# KiCad board kibot_a7dshx9q.kicad_pcb (continued)
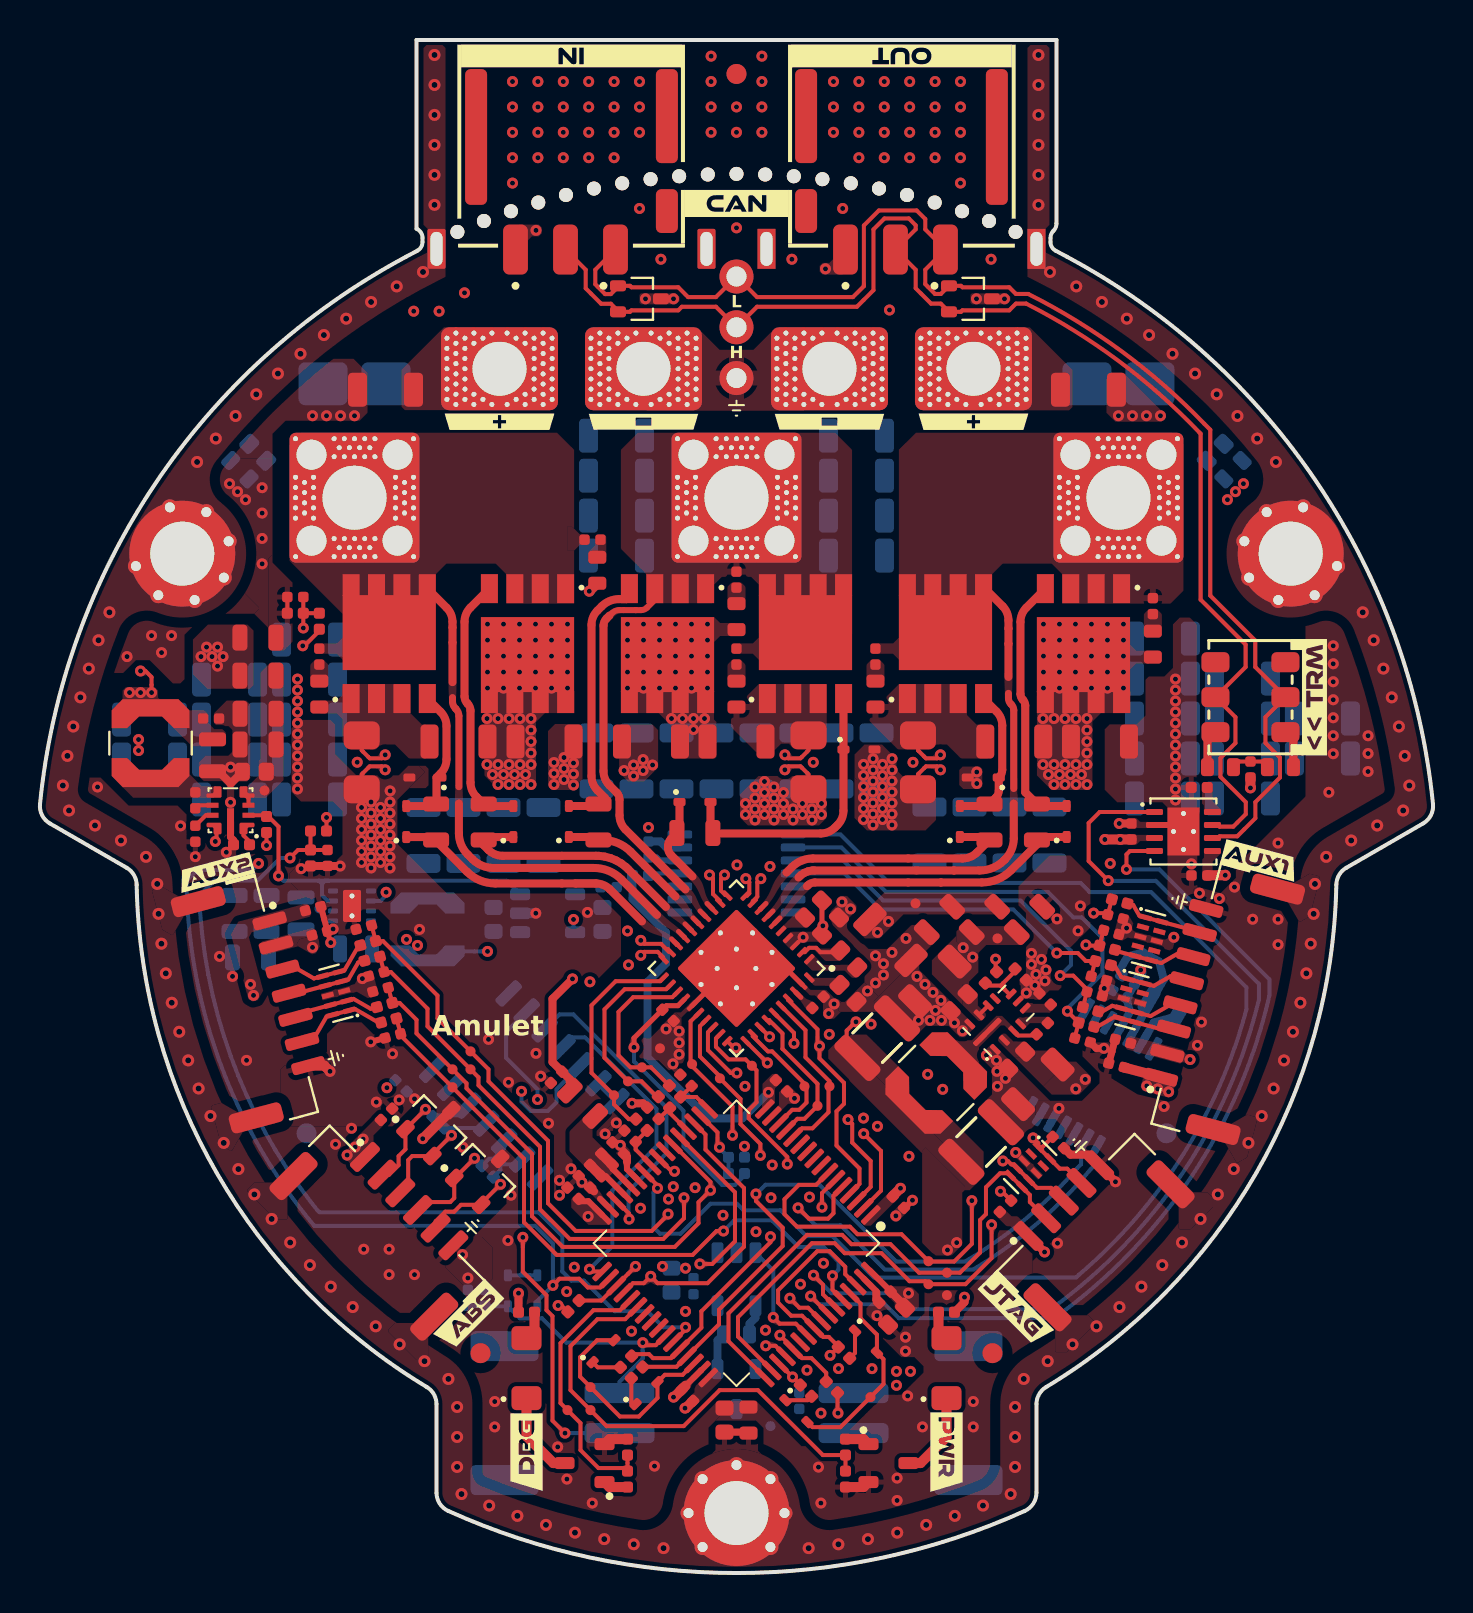
[diagram p0: board, top side]
## Copper pours and planes (outline as drawn; the poured copper is in the pictures) (continued)
GND on L6 (Sig, PWR): 18.29,24.41 18.46,24.41 19.02,23.85 19.02,23.61 18.79,23.38 17.87,23.38 17.68,23.57 17.68,23.81 17.69,23.81
GND on L6 (Sig, PWR), L2 (GND), L3 (Sig, PWR), L5 (GND): 38.41,33.17 39.55,33.17 40.14,32.58 40.14,31.8 39.28,30.93 37.72,30.93 37.17,31.48 37.17,31.94
GND on L6 (Sig, PWR), L2 (GND), L3 (Sig, PWR), L5 (GND): 41.67,33.54 42.92,33.54 43.64,32.82 43.64,32.04 42.78,31.17 41.22,31.17 40.67,31.72 40.67,32.55
GND on L6 (Sig, PWR), L3 (Sig, PWR), L4 (Sig, PWR): 23.88,66.1 18.28,66.1 17.68,66.7 17.68,76.65 18.53,77.5 50.88,77.5 51.58,76.8 51.58,66.55 51.03,66 45.58,66 42.38,62.8 42.38,61.65 28.33,61.65
GND on L6 (Sig, PWR), L3 (Sig, PWR), L4 (Sig, PWR): 27.28,58.2 42.08,58.2 42.08,62.85 27.28,62.85
GND on L2 (GND), L3 (Sig, PWR), L4 (Sig, PWR), L5 (GND): 13.65,38.63 14.75,38.63 15.23,38.15 15.23,37.15 14.8,36.73 13.8,36.73 13.38,37.15 13.38,38.35
GND on L2 (GND), L4 (Sig, PWR), L5 (GND): 7.78,47.24 9.35,47.24 10.01,46.58 10.01,45.26 9.25,44.49 7.97,44.49 7.04,45.42 7.04,46.51
GND on L2 (GND), L5 (GND): 26.8,49.96 27.9,49.96 28.38,49.48 28.38,48.48 27.95,48.06 26.95,48.06 26.53,48.48 26.53,49.68
GND on L2 (GND), L5 (GND): 15.93,79.7 51.93,79.7 73.43,58.2 73.43,19.2 51.43,-2.8 17.93,-2.8 -3.07,18.2 -3.07,60.7
GND on L3 (Sig, PWR): 24.19,28.43 24.19,31.23 23.5,31.92 20.57,31.92 20.57,30.6 22.74,28.43
GND on L3 (Sig, PWR): 18.58,49.85 19.03,49.4 19.03,43.65 18.63,43.25 17.83,43.25 14.62,46.46 12.57,46.46 10.28,48.75 10.28,49.05 11.08,49.85
GND on L3 (Sig, PWR): 36.54,39.95 36.9,39.59 37.69,39.59 37.89,39.79 37.89,40.86 37.99,40.96 44.1,40.96 44.29,40.77 44.29,37.59 43.86,37.15 34.93,37.15 34.33,37.75 34.33,38.9 35.38,39.95
GND on L3 (Sig, PWR): outline of 87 points within 11.91,8.31 71.53,49.86
GND on L3 (Sig, PWR): 46.58,39.34 45.52,38.28 45.52,36.7 45.62,36.6 48.02,36.6 48.17,36.75 48.17,37.32 47.11,38.38 47.11,40.25 46.97,40.39 46.72,40.39 46.58,40.25
GND on L3 (Sig, PWR), L4 (Sig, PWR): 12.88,49.85 12.43,49.85 11.83,50.45 11.83,57.4 12.58,58.15 18.68,58.15 19.13,58.6 19.13,62.3 20.08,63.25 26.83,63.25 27.28,62.8 27.93,62.8 28.98,63.85 26.03,66.8 14.33,66.8 3.18,55.65 3.18,48.75 5.43,46.5 9.53,46.5
GND on L3 (Sig, PWR), L4 (Sig, PWR): 56.78,49.85 57.23,49.85 57.83,50.45 57.83,57.4 57.08,58.15 50.98,58.15 50.53,58.6 50.53,62.3 49.58,63.25 42.83,63.25 42.38,62.8 41.73,62.8 40.68,63.85 43.63,66.8 55.33,66.8 66.48,55.65 66.48,48.75 64.23,46.5 60.13,46.5
GND on L4 (Sig, PWR): 54.97,36.71 56.17,35.51 57.82,35.51 59.03,36.72 59.03,36.81 58.79,37.05 55.31,37.05
GND on L4 (Sig, PWR): 2.38,49.85 18.18,49.85 19.29,48.78 19.29,38.91 20.01,38.19 24.98,38.19 25.43,38.64 25.43,40.66 25.73,40.96 46.2,40.96 47.12,40.04 47.12,38.67 43.27,34.83 41.95,34.83 40.53,33.4 37.8,33.4 37.23,32.83 37.23,31.5 37.88,30.85 42,30.85 43.4,32.25 44.5,32.25 48.63,36.38 48.63,36.38 50.06,37.82 52.16,37.82 53.27,38.92 53.27,42.86 53.5,43.09 54.49,43.09 55.16,43.76 55.16,49.17 55.84,49.85 68.03,49.85 71.18,46.7 71.18,38.85 69.01,36.68 50.94,36.68 46.85,32.59 46.85,29.79 41.43,24.37 41.43,22.65 41.33,22.55 40.98,22.55 40.88,22.65 40.88,23 38.78,25.1 38.78,25.5 39.53,26.25 39.58,26.25 39.58,26.7 38.88,27.4 35.03,27.4 33.33,25.7 33.33,22.45 29.68,18.8 28.68,18.8 28.18,19.3 26.78,19.3 25.58,18.1 25.58,17.1 24.69,16.21 23.44,16.21 22.88,16.77 22.88,19.7 25.1,21.93 25.1,23.95 25.08,23.95 22.43,21.3 22.1,21.3 22.01,21.39 22.01,30.45 20.15,32.31 2.41,32.32 -0.97,35.7 -0.97,46.75
/Project Architecture/Interface - Fan Control/FAN_SW on L6 (Sig, PWR): 34.83,8.7 36.53,8.7 37.73,7.5 39.4,7.5 39.53,7.38 39.53,6.5 35.85,6.5 34.53,7.83 34.53,8.4
/Project Architecture/MCU - Power/F_A3V3 on L1 (Sig, PWR): 27.73,22.3 27.63,22.2 27.63,21.8 28.88,20.55 28.88,20.25 28.18,19.55 28.03,19.55 26.48,21.1 26.48,22.1 27.28,22.9 27.73,22.45
/Project Architecture/Motor Control - Top Level/CPH on L1 (Sig, PWR): 38.13,30.93 38.38,31.18 38.72,31.18 39.27,30.63 40.01,30.63 40.1,30.72 40.1,30.8 39.66,31.24 38.99,31.24 38.81,31.43 38.33,31.43 37.98,31.08
/Project Architecture/Motor Control - Top Level/CPL on L1 (Sig, PWR): 38.25,30.5 38.62,30.14 40.24,30.14 40.6,29.78 40.8,29.78 40.95,29.93 40.44,30.44 39.17,30.44 38.68,30.93
/Project Architecture/Motor Control - Top Level/GHA on L1 (Sig, PWR): 38.21,34.5 37.98,34.27 37.8,34.06 37.66,33.88 37.55,33.72 37.34,33.41 37.22,33.24 37.08,33.06 36.9,32.86 36.67,32.62 36.66,32.61 36.71,32.49 36.83,32.43 37.08,32.68 37.27,32.87 37.42,33.04 37.55,33.19 37.79,33.47 37.92,33.62 38.08,33.79 38.26,33.99 38.5,34.22 38.64,34.36 38.52,34.53 38.38,34.65
/Project Architecture/Motor Control - Top Level/GHB on L1 (Sig, PWR): 32.99,32.62 32.82,32.79 32.7,32.94 32.6,33.07 32.52,33.19 32.38,33.42 32.3,33.54 32.21,33.67 32.08,33.82 31.92,33.99 31.9,34.01 31.71,33.92 31.61,33.73 31.8,33.54 31.93,33.4 32.04,33.28 32.14,33.17 32.31,32.98 32.4,32.87 32.51,32.75 32.65,32.61 32.81,32.44 32.9,32.35 33,32.43 33.08,32.53
/Project Architecture/Motor Control - Top Level/GHC on L1 (Sig, PWR): 31.16,33.18 31.32,33.03 31.45,32.91 31.57,32.81 31.68,32.73 31.89,32.59 31.99,32.51 32.11,32.42 32.25,32.3 32.42,32.13 32.54,32.19 32.6,32.31 31.3,33.61 31.14,33.49 31.02,33.33
/Project Architecture/Motor Control - Top Level/GLA on L1 (Sig, PWR): 37.19,35.19 36.98,34.97 36.84,34.77 36.73,34.59 36.65,34.43 36.51,34.11 36.43,33.94 36.32,33.76 36.17,33.56 35.97,33.34 35.96,33.33 36.01,33.21 36.13,33.15 36.15,33.17 36.35,33.38 36.51,33.57 36.63,33.74 36.72,33.89 36.89,34.18 36.99,34.34 37.11,34.5 37.27,34.69 37.47,34.91 37.61,35.05 37.49,35.21 37.33,35.33
/Project Architecture/Motor Control - Top Level/GLB on L1 (Sig, PWR): 32.49,34.71 32.66,34.52 32.78,34.36 32.87,34.21 32.94,34.07 33.05,33.8 33.12,33.67 33.21,33.52 33.34,33.35 33.51,33.17 33.52,33.15 33.64,33.21 33.7,33.33 33.69,33.34 33.52,33.53 33.4,33.71 33.32,33.87 33.27,34.02 33.19,34.32 33.13,34.47 33.06,34.63 32.94,34.8 32.77,34.99 32.63,35.13 32.47,35.01 32.34,34.85
/Project Architecture/Motor Control - Top Level/GLC on L1 (Sig, PWR): 29.96,32.46 30.17,32.27 30.36,32.14 30.53,32.04 30.69,31.98 31,31.87 31.17,31.81 31.34,31.71 31.53,31.58 31.73,31.39 31.75,31.38 31.87,31.44 31.92,31.56 31.91,31.57 31.71,31.76 31.53,31.9 31.37,32 31.22,32.09 30.93,32.23 30.79,32.31 30.62,32.41 30.45,32.55 30.24,32.74 30.1,32.88 29.94,32.76 29.82,32.6
/Project Architecture/Motor Control - Top Level/Motor Control - Inverter/FET_GHC on L6 (Sig, PWR): 21.8,38 21.8,38.75 19.7,38.75 19.6,38.65 19.6,38.1 19.7,38
/Project Architecture/Motor Control - Top Level/Motor Control - Inverter/PHA on L1 (Sig, PWR): 42.95,48.7 42.95,56.2 43.8,57.05 56.58,57.05 57.18,56.45 57.18,49.15 56.53,48.5 51.12,48.5 51.12,49.97 50.59,50.5 48.14,50.5 47.61,49.97 47.61,48.7
/Project Architecture/Motor Control - Top Level/Motor Control - Inverter/PHA on L1 (Sig, PWR): 41.84,46.51 42.66,46.51 42.96,46.81 43.3,46.81 43.3,45.61 43.04,45.61 42.66,45.99 41.84,45.99
/Project Architecture/Motor Control - Top Level/Motor Control - Inverter/PHB on L1 (Sig, PWR): 30.32,49.97 29.05,51.24 29.05,56.2 29.9,57.05 39.76,57.05 40.61,56.2 40.61,46.9 35.95,46.9 35.95,49.45 35.56,49.84 34.1,49.84 33.71,49.45 33.71,48.52 30.32,48.52
/Project Architecture/Motor Control - Top Level/Motor Control - Inverter/PHB on L1 (Sig, PWR): 34.83,46.51 35.65,46.51 35.95,46.81 36.29,46.81 36.29,45.61 36.03,45.61 35.65,45.99 34.83,45.99
/Project Architecture/Motor Control - Top Level/Motor Control - Inverter/PHC on L1 (Sig, PWR): 14.02,46.51 14.84,46.51 15.14,46.81 15.48,46.81 15.48,45.61 15.22,45.61 14.84,45.99 14.02,45.99
/Project Architecture/Motor Control - Top Level/Motor Control - Inverter/PHC on L1 (Sig, PWR): 27.29,51.44 27,51.44 26.7,51.14 26.36,51.14 26.36,52.34 26.62,52.34 27,51.96 27.29,51.96
/Project Architecture/Motor Control - Top Level/Motor Control - Inverter/PHC on L1 (Sig, PWR): 26.71,48.5 26.71,56.2 25.86,57.05 13.08,57.05 12.48,56.45 12.48,50.64 15.12,48 19.8,48 19.8,49.98 20.32,50.5 22.79,50.5 23.32,49.97 23.32,48.5
/Project Architecture/Motor Control - Top Level/Motor Control - Inverter/SNUBH_B on L1 (Sig, PWR): 35.07,49.56 35.28,49.35 35.28,48.36 34.38,48.36 34.38,49.35 34.59,49.56
/Project Architecture/Motor Control - Top Level/Motor Control - Inverter/SNUBH_C on L1 (Sig, PWR): 27.77,51.42 27.42,51.07 27.42,50.72 28.31,50.72 28.32,50.73 28.32,51.86 28.22,51.96 27.94,51.96 27.77,51.79
/Project Architecture/Motor Control - Top Level/Motor Control - Inverter/SRC_LS_A on L1 (Sig, PWR): 42.13,43.65 42.95,44.48 46.23,44.48 46.35,44.35 46.35,42.93 46.83,42.45 47.45,42.45 47.45,40.75 46.05,40.75 45.35,41.45 44.83,41.45 44.58,41.21 42.9,41.21 41.33,42.78 41.33,43.48 41.5,43.65
/Project Architecture/Motor Control - Top Level/Motor Control - Inverter/SRC_LS_B on L1 (Sig, PWR): 39.34,44.48 35.94,44.48 35.12,43.65 34.55,43.65 34.55,42.33 35.83,41.05 36.62,41.05 37.06,41.49 37.45,41.49 37.69,41.25 39.03,41.25 39.34,41.57
/Project Architecture/Motor Control - Top Level/Motor Control - Inverter/SRC_LS_C on L1 (Sig, PWR): 13.97,43 14.84,43 15.18,42.66 15.45,42.66 15.62,42.83 15.62,43.75 15.41,43.96 15.15,43.96 14.84,43.65 13.97,43.65
/Project Architecture/Motor Control - Top Level/Motor Control - Inverter/SRC_LS_C on L1 (Sig, PWR): 19.38,42.45 19.09,42.45 18.53,43.02 18.53,44.48 15.13,44.48 15.13,41.6 15.53,41.2 17.08,41.2 17.33,41.45 17.75,41.45 18.45,40.75 19.38,40.75
/Project Architecture/Motor Control - Top Level/SHA on L1 (Sig, PWR): 37.79,34.94 37.56,34.7 37.38,34.49 37.25,34.3 37.15,34.12 36.96,33.79 36.86,33.61 36.72,33.42 36.55,33.21 36.32,32.97 36.31,32.96 36.36,32.84 36.48,32.78 36.5,32.79 36.73,33.03 36.91,33.24 37.05,33.41 37.18,33.57 37.39,33.88 37.51,34.04 37.66,34.22 37.84,34.42 38.07,34.66 38.21,34.8 38.09,34.96 37.94,35.07
/Project Architecture/Motor Control - Top Level/SHB on L1 (Sig, PWR): 32.13,34.06 32.29,33.9 32.41,33.76 32.5,33.64 32.58,33.53 32.71,33.32 32.79,33.21 32.89,33.09 33.01,32.95 33.17,32.78 33.29,32.84 33.35,32.96 33.34,32.97 33.18,33.13 33.07,33.28 32.99,33.41 32.93,33.54 32.82,33.77 32.76,33.9 32.68,34.03 32.57,34.18 32.42,34.34 32.27,34.48 32.11,34.36 31.99,34.2
/Project Architecture/Motor Control - Top Level/SHC on L1 (Sig, PWR): 32.26,31.94 32.1,32.1 31.96,32.23 31.84,32.34 31.73,32.42 31.53,32.58 31.42,32.67 31.3,32.78 31.16,32.91 30.97,33.09 30.78,33 30.69,32.8 30.71,32.78 30.88,32.62 31.03,32.5 31.16,32.41 31.28,32.34 31.51,32.21 31.64,32.14 31.77,32.05 31.92,31.93 32.08,31.77 32.17,31.68 32.27,31.75 32.35,31.85
/Project Architecture/Motor Control - Top Level/VCP on L1 (Sig, PWR): 37.01,32.23 38.09,33.31 38.27,33.31 38.7,32.88 38.7,32.61 38.37,32.28 37.37,32.28 37.17,32.08 37.16,32.08
/Project Architecture/Motor Control - Top Level/VGLS on L1 (Sig, PWR): 38.5,29.9 38.63,29.78 40.2,29.78 40.33,29.65 40.33,29.3 39.98,28.95 39.55,29.38 38.73,29.38 38.35,29.75
/Project Architecture/Power - Generation/ADJ_A3V3 on L6 (Sig, PWR): 26.99,34.26 27.31,34.59 28.14,34.59 28.14,34.04 27.51,34.04 27.14,33.66 26.99,33.66
/Project Architecture/Power - Generation/F_VIN_3V3 on L6 (Sig, PWR): 14.58,33 12.93,33 12.63,33.3 12.63,33.78 13,34.15 13.63,34.15 13.75,34.03 13.75,33.85 14.35,33.25 14.58,33.25
/Project Architecture/Power - Generation/F_VIN_3V3 on L6 (Sig, PWR): 9.4,33.23 9.08,33.55 9.08,34.15 9.23,34.3 12.18,34.3 12.33,34.15 13.63,34.15 12.7,33.23
/Project Architecture/Power - Generation/F_VIN_5V on L1 (Sig, PWR): 11.91,45.55 12.18,45.28 12.18,39.67 11.3,38.79 10.24,38.79 10.08,38.95 10.08,39.23 10.21,39.36 10.4,39.36 10.94,39.9 10.94,40.62 11.03,40.71 11.03,45.06 11.51,45.55
/Project Architecture/Power - Generation/F_VIN_12V on L1 (Sig, PWR): 46.93,27.62 47.07,27.62 47.3,27.85 47.3,27.99 46.45,28.84 46.45,29.58 46.92,30.05 46.92,31.04 46.05,31.91 45.85,31.91 44.6,30.66 44.6,29.95
/Project Architecture/Power - Generation/F_VIN_12V on L1 (Sig, PWR): 47.3,27.99 46.9,28.39 46.9,28.98 46.41,29.47 46.18,29.47 46.12,29.41 46.12,28.43 46.93,27.62 47.07,27.62 47.3,27.85
/Project Architecture/Power - Generation/F_VIN_12V on L1 (Sig, PWR): 48.28,26.99 48.67,26.6 49.28,26.6 49.76,26.12 49.76,25.87 49.7,25.81 48.72,25.81 47.91,26.62 47.91,26.77 48.13,26.99
/Project Architecture/Power - Generation/F_VIN_12V on L1 (Sig, PWR): 51.81,25.58 52.55,24.84 52.55,24.52 51.96,23.93 50.59,23.93 50.17,24.36 51.4,25.58
/Project Architecture/Power - Generation/F_VIN_12V on L1 (Sig, PWR): 47.91,26.76 47.91,26.62 50.17,24.36 51.02,24.36 51.62,24.96 50.41,26.16 50.39,26.14 49.13,26.14 48.28,26.99 48.14,26.99
/Project Architecture/Power - Generation/F_VIN_12V on L1 (Sig, PWR): 48.52,32.65 48.23,32.36 46.08,32.36 45.82,32.1 45.82,31.58 46.37,31.03 46.93,31.03 47.32,31.42 49.04,31.42 49.04,32.13
/Project Architecture/Power - Generation/F_VIN_12V on L6 (Sig, PWR): 45.98,31.65 46.2,31.65 52.63,25.22 52.63,24.7 51.97,24.04 51.04,24.04 44.88,30.2 44.88,30.55
/Project Architecture/Power - Generation/SW_3V3 on L6 (Sig, PWR): 16.3,33 18.08,33 18.28,33.2 18.28,33.93 18.15,34.05 18.05,34.05 17.25,33.25 16.3,33.25
/Project Architecture/Power - Generation/SW_5V on L1 (Sig, PWR): 8.66,38.79 4.66,38.79 4.06,39.39 4.06,39.43 4.73,40.1 7.35,40.1 8.09,39.36 8.78,39.36 8.78,38.91
/Project Architecture/Power - Generation/SW_12V on L1 (Sig, PWR): 48.79,26.83 48.23,27.4 48.05,27.4 46.95,26.3 46.95,25.5 47.36,25.09 47.36,25.08 47.22,24.94 45.24,26.92 45.38,27.06 45.38,27.06 45.79,26.65 46.6,26.65 47.82,27.87 48.1,27.87 48.97,27.01
CHASSIS on L1 (Sig, PWR): 12.61,20.49 11.66,19.54 10.72,19.54 10.38,19.2 10.38,19.1 11.78,17.69 12.32,17.69 12.37,17.74 12.37,18.84 13.31,19.79 13.31,19.79
CHASSIS on L1 (Sig, PWR): 58.25,22.81 59.54,22.46 60.36,22.93 60.82,22.81 60.87,22.72 60.36,20.8 59.89,20.53 59.82,20.55 59.27,21.5 57.99,21.85 57.99,21.85
CHASSIS on L1 (Sig, PWR): 8.23,34.2 6.94,33.85 6.12,34.32 5.66,34.2 5.61,34.11 6.12,32.19 6.59,31.92 6.66,31.94 7.21,32.89 8.49,33.24 8.49,33.24
CHASSIS on L1 (Sig, PWR): 50.53,13.85 51.48,12.9 52.42,12.9 52.76,12.56 52.76,12.46 51.35,11.05 50.81,11.05 50.76,11.1 50.76,12.2 49.83,13.15 49.83,13.15
CHASSIS on L1 (Sig, PWR): 19.65,13.46 18.7,12.51 17.76,12.51 17.42,12.17 17.42,12.07 18.82,10.66 19.36,10.66 19.41,10.71 19.41,11.81 20.35,12.76 20.35,12.76
CHASSIS on L1 (Sig, PWR): 61.37,34.87 62.67,34.52 63.49,34.99 63.95,34.86 64,34.77 63.49,32.85 63.02,32.58 62.95,32.6 62.4,33.56 61.12,33.91 61.12,33.91
CHASSIS on L1 (Sig, PWR): 56.7,20 57.65,19.05 58.38,19.05 58.65,18.78 58.65,18.33 57.53,17.2 56.99,17.2 56.94,17.25 56.94,18.33 56,19.28 56,19.3
CHASSIS on L1 (Sig, PWR): 11.18,23.4 9.89,23.05 9.07,23.52 8.61,23.4 8.56,23.31 9.07,21.39 9.54,21.12 9.61,21.14 10.16,22.09 11.44,22.44 11.44,22.44
CHASSIS on L1 (Sig, PWR): 35.8,7.45 33.88,7.45 33.78,7.35 33.78,6.15 33.48,5.85 36.18,5.85 35.9,6.13 35.9,7.35
CHASSIS on L1 (Sig, PWR): 46.53,63.95 46.63,64.05 48.43,64.05 48.53,63.95 48.53,63.55 48.43,63.45 46.63,63.45 46.53,63.55
CHASSIS on L1 (Sig, PWR): 29.98,63.95 30.08,64.05 31.88,64.05 31.98,63.95 31.98,63.55 31.88,63.45 30.08,63.45 29.98,63.55
CHASSIS on L1 (Sig, PWR), L6 (Sig, PWR), L2 (GND), L3 (Sig, PWR), L4 (Sig, PWR), L5 (GND): outline of 716 points within 0.29,0.3 69.35,55.05
CHASSIS on L1 (Sig, PWR), L6 (Sig, PWR), L2 (GND), L3 (Sig, PWR), L4 (Sig, PWR), L5 (GND): 10.83,57.96 10.13,57.21 9.46,56.44 8.81,55.65 8.77,55.59 8.73,55.53 8.69,55.46 8.65,55.4 8.62,55.33 8.59,55.26 8.57,55.19 8.55,55.12 8.53,55.05 8.51,54.98 8.5,54.91 8.49,54.83 8.49,54.76 8.49,54.68 8.49,54.61 8.5,54.54 8.51,54.46 8.52,54.39 8.54,54.32 8.56,54.25 8.59,54.18 8.62,54.11 8.65,54.04 8.68,53.98 8.72,53.91 8.76,53.85 8.81,53.79 8.85,53.73 8.9,53.68 8.95,53.63 9.01,53.58 9.07,53.53 8.94,53.36 6.4,54.9 6.68,55.31 7.35,56.21 8.05,57.08 8.77,57.93 9.52,58.76 10.3,59.56 11.11,60.34 11.94,61.09 12.79,61.82 13.45,62.34 13.98,62.74 14.91,63.42 15.86,64.06 16.83,64.67 17.83,65.25 18.84,65.8 19.38,66.07 19.38,67.25 20.28,67.25 20.28,64.85 20,64.71 19,64.19 18.01,63.63 17.04,63.04 16.1,62.42 15.18,61.76 14.27,61.08 13.4,60.36 12.55,59.62 11.72,58.84 11.29,58.43
CHASSIS on L1 (Sig, PWR), L6 (Sig, PWR), L2 (GND), L3 (Sig, PWR), L4 (Sig, PWR), L5 (GND): 58.83,57.96 59.52,57.21 60.19,56.44 60.84,55.65 60.89,55.59 60.93,55.53 60.97,55.46 61,55.4 61.03,55.33 61.06,55.26 61.09,55.19 61.11,55.12 61.13,55.05 61.14,54.98 61.15,54.91 61.16,54.83 61.17,54.76 61.17,54.68 61.16,54.61 61.16,54.54 61.15,54.46 61.13,54.39 61.11,54.32 61.09,54.25 61.07,54.18 61.04,54.11 61.01,54.04 60.97,53.98 60.93,53.91 60.89,53.85 60.85,53.79 60.8,53.73 60.75,53.68 60.7,53.63 60.65,53.58 60.59,53.53 60.71,53.36 63.25,54.9 62.98,55.31 62.31,56.21 61.61,57.08 60.88,57.93 60.13,58.76 59.35,59.56 58.55,60.34 57.72,61.09 56.86,61.82 56.2,62.34 55.67,62.74 54.74,63.42 53.79,64.06 52.82,64.67 51.83,65.25 50.82,65.8 50.28,66.07 50.28,67.25 49.38,67.25 49.38,64.85 49.66,64.71 50.66,64.19 51.64,63.63 52.61,63.04 53.56,62.42 54.48,61.76 55.38,61.08 56.26,60.36 57.11,59.62 57.94,58.84 58.36,58.43
CHASSIS on L1 (Sig, PWR), L6 (Sig, PWR), L2 (GND), L3 (Sig, PWR), L4 (Sig, PWR), L5 (GND): 19.18,67.45 20.28,66.35 20.28,76.3 20.13,76.45 19.33,76.45 19.18,76.3
CHASSIS on L1 (Sig, PWR), L6 (Sig, PWR), L2 (GND), L3 (Sig, PWR), L4 (Sig, PWR), L5 (GND): 50.48,67.45 49.38,66.35 49.38,76.3 49.53,76.45 50.33,76.45 50.48,76.3
CHASSIS on L6 (Sig, PWR): 15.38,61.69 15.38,61.9 16.1,62.42 17.04,63.04 18.01,63.63 19,64.19 20,64.71 20.28,64.85 20.28,67.25 19.38,67.25 19.38,66.07 18.84,65.8 17.83,65.25 16.83,64.67 15.86,64.06 14.91,63.42 13.98,62.74 13.45,62.33 13.43,61.7
CHASSIS on L6 (Sig, PWR): 54.28,61.69 54.28,61.9 53.56,62.42 52.61,63.04 51.64,63.63 50.66,64.19 49.66,64.71 49.38,64.85 49.38,67.25 50.28,67.25 50.28,66.07 50.82,65.8 51.83,65.25 52.82,64.67 53.79,64.06 54.74,63.42 55.67,62.74 56.2,62.33 56.23,61.7
CHASSIS on L6 (Sig, PWR): 22.55,10.6 21.73,10.6 21.63,10.5 21.63,8.45 20.3,9.78 20.3,10.8 20.75,10.8 20.75,10.8 21,11.05 21,11.83 21.28,12.1 22.55,12.1
CHASSIS on L6 (Sig, PWR): 24.93,3.45 25.13,3.25 25.13,3 21.98,3 21.23,3.75 21.23,5.7 21.33,5.8 21.5,5.8 21.9,5.4 24.65,5.4 24.93,5.13
CHASSIS on L6 (Sig, PWR): 47.1,10.6 47.93,10.6 48.03,10.5 48.03,8.45 49.35,9.78 49.35,10.8 48.9,10.8 48.9,10.8 48.65,11.05 48.65,11.82 48.38,12.1 47.1,12.1
CHASSIS on L6 (Sig, PWR): 60.01,55.17 58.8,56.38 58.8,56.72 59.24,57.16 59.24,57.62 59.45,57.83 59.48,57.83 61.23,56.08 61.23,55.69 61.09,55.55 60.64,55.55 60.26,55.17
CHASSIS on L6 (Sig, PWR): 9.68,55.18 10.87,56.37 10.87,56.71 10.43,57.15 10.43,57.61 10.22,57.82 10.19,57.82 8.44,56.07 8.44,55.68 8.58,55.54 9.02,55.54 9.38,55.18
CHASSIS on L6 (Sig, PWR): 46.55,63.4 48.88,63.4 50.28,64.8 50.28,66.03 49.48,66.03 48.23,64.78 47.08,64.78 46.33,64.03 46.33,63.63
CHASSIS on L6 (Sig, PWR): 58.83,57.96 59.52,57.21 60.19,56.44 60.84,55.65 60.89,55.59 60.93,55.53 60.97,55.46 61,55.4 61.03,55.33 61.06,55.26 61.09,55.19 61.11,55.12 61.13,55.05 61.14,54.98 61.15,54.91 61.16,54.83 61.17,54.76 61.17,54.68 61.16,54.61 61.16,54.54 61.15,54.46 61.13,54.39 61.11,54.32 61.09,54.25 61.07,54.18 61.04,54.11 61.01,54.04 60.97,53.98 60.93,53.91 60.89,53.85 60.85,53.79 60.8,53.73 60.75,53.68 60.7,53.63 60.65,53.58 60.59,53.53 60.71,53.36 63.25,54.9 62.98,55.31 62.31,56.21 61.61,57.08 60.88,57.93 60.13,58.76 59.35,59.56 58.55,60.34 57.72,61.09 56.86,61.82 56.2,62.34 54.92,62.34 54.28,61.7 54.28,58.99 54.84,58.43 58.36,58.43
CHASSIS on L6 (Sig, PWR): 20.28,64.85 27.95,64.85 29.4,63.4 32,63.4 32.23,63.63 32.23,63.98 31.43,64.78 30.13,64.78 28.58,66.33 20.78,66.33 20.1,67 20.1,65.03
CHASSIS on L6 (Sig, PWR): 10.83,57.96 10.13,57.21 9.46,56.44 8.81,55.65 8.77,55.59 8.73,55.53 8.69,55.46 8.65,55.4 8.62,55.33 8.59,55.26 8.57,55.19 8.55,55.12 8.53,55.05 8.51,54.98 8.5,54.91 8.49,54.83 8.49,54.76 8.49,54.68 8.49,54.61 8.5,54.54 8.51,54.46 8.52,54.39 8.54,54.32 8.56,54.25 8.59,54.18 8.62,54.11 8.65,54.04 8.68,53.98 8.72,53.91 8.76,53.85 8.81,53.79 8.85,53.73 8.9,53.68 8.95,53.63 9.01,53.58 9.07,53.53 8.94,53.36 6.39,54.89 6.68,55.31 7.35,56.21 8.05,57.08 8.77,57.93 9.52,58.76 10.3,59.56 11.11,60.34 11.94,61.09 12.79,61.82 13.45,62.34 14.73,62.34 15.38,61.7 15.38,58.99 14.82,58.43 11.29,58.43
CHASSIS on L6 (Sig, PWR): 44.73,3.45 44.53,3.25 44.53,3 47.68,3 48.43,3.75 48.43,5.7 48.33,5.8 48.15,5.8 47.75,5.4 45,5.4 44.73,5.13

Small or netless copper shapes (teardrops, artwork), in the pictures only: 73 on L1 (Sig, PWR), 24 on L6 (Sig, PWR), 22 on L3 (Sig, PWR), 42 on L4 (Sig, PWR)

## Text on the board
B.Mask: Apr. 2024
B.Silkscreen: L | H | Vincent Nguyen
User.Comments: PCB3D_BR_Amulet | PCB3D_TL_Amulet
TitlePage: Top View | Bottom View
F.Mask: v1.1
F.Silkscreen: L | H | Amulet
DrillMap: 674 / 438 / 120 / 21 / 4 (slot) / 3 / 12 / 4 / 6 / 21 | 0.25mm / 0.25mm / 0.30mm / 0.50mm / 0.60mm / 1.00mm / 1.50mm / 2.70mm / 3.20mm / 0.70mm | Plated / Plated / Plated / Plated / Plated / Plated / Plated / Plated / Plated / Unplated | Symbol | Count | Hole Size | Plated | Drill Drawing (Top View) (Scale 1:1)
F.AssemblyText: THT / SMD / Total | 0 / 164 / 164 | 2 / 87 / 89 | 2 / 251 / 253 | Type | Front Side | Back Side | Total | ASSEMBLY NOTES (UNLESS OTHERWISE SPECIFIED) / 1) 	DO NOT POPULATE PARTS ARE MARKED WITH A RED CROSS. / 2) 	DO NOT POPULATE PARTS ARE NOT PRESENT IN THE BOM. / 3)	IF CONFLICTING INFORMATION IS FOUND BETWEEN THE / ASSEMBLY FILE AND BOM, BOM SHOULD BE USED AS THE / MAIN SOURCE. | Components
F.Dimensions: Total thickness: 1.66mm | Note: external layer thicknesses are specified after plating | Material | Prepreg | Core | Layer | F.Paste | F.Silkscreen | F.Mask | B.Mask | B.Silkscreen | B.Paste | Thickness | 0.02mm | 0.18mm | 0.4mm | Dielectric | Direct Printing | Solder Resist | FR4_7628 | FR4 | Type | Paste Mask | Legend | Solder Mask | Gerber | GBR | Copper | L1 (Sig, PWR) | L2 (GND) | L3 (Sig, PWR) | L4 (Sig, PWR) | L5 (GND) | L6 (Sig, PWR) | 0.07mm (2oz) | 0.035mm (1oz) | Signal | Plane | FABRICATION NOTES (UNLESS OTHERWISE SPECIFIED) / 1) 	OUTLINE DEFINED IN SEPARATE GERBER FILE WITH / {dblquote}Edge_Cuts.GBR{dblquote} SUFFIX. / DIMENSIONS OF CIRCUMSIZED RECTANGLE SHOWN / ON THIS DWG FOR REF ONLY. / 2) 	SEE SEPARATE DRILL FILES WITH {dblquote}.DRL{dblquote} SUFFIX FOR HOLE LOCATIONS. / SELECTED HOLE LOCATIONS SHOWN ON THIS DWG FOR REF ONLY. / 3)	IMPEDANCE CONTROL REQUIRED. / Microstrip 100-Ohm Differential (L1 ref. L2) / 0.2032mm width, 0.28mm spacing / 4) 	CONFIRM TRACE WIDTHS AND SPACINGS. / 5)	DESIGN GEOMETRY MINIMUM FEATURE SIZES: / TRACE WIDTH			0.20 mm / TRACE TO TRACE		0.20 mm / MIN. HOLE (PTH)		0.25 mm / MIN. HOLE (NPTH)	0.70 mm / ANNULAR RING		0.15 mm / COPPER TO HOLE		0.254 mm / COPPER TO EDGE		0.25 mm / HOLE TO HOLE		0.254 mm | All dimensions are in millimeters unless otherwise specified. | Layer Stack Legend | Top Fabrication (Scale 1:1)
B.Dimensions: 3× 120° | 30° | All dimensions are in millimeters unless otherwise specified. | Bottom Fabrication (Scale 1:1)
F.TestPointList: Ref. | Net | X | Y | All dimensions are in millimeters unless otherwise specified.
B.TestPointList: Y | X | Net | Ref. | All dimensions are in millimeters unless otherwise specified.
